# Altium PCB Luchador Pcb.PcbDoc (part 1 of 4) (continued)
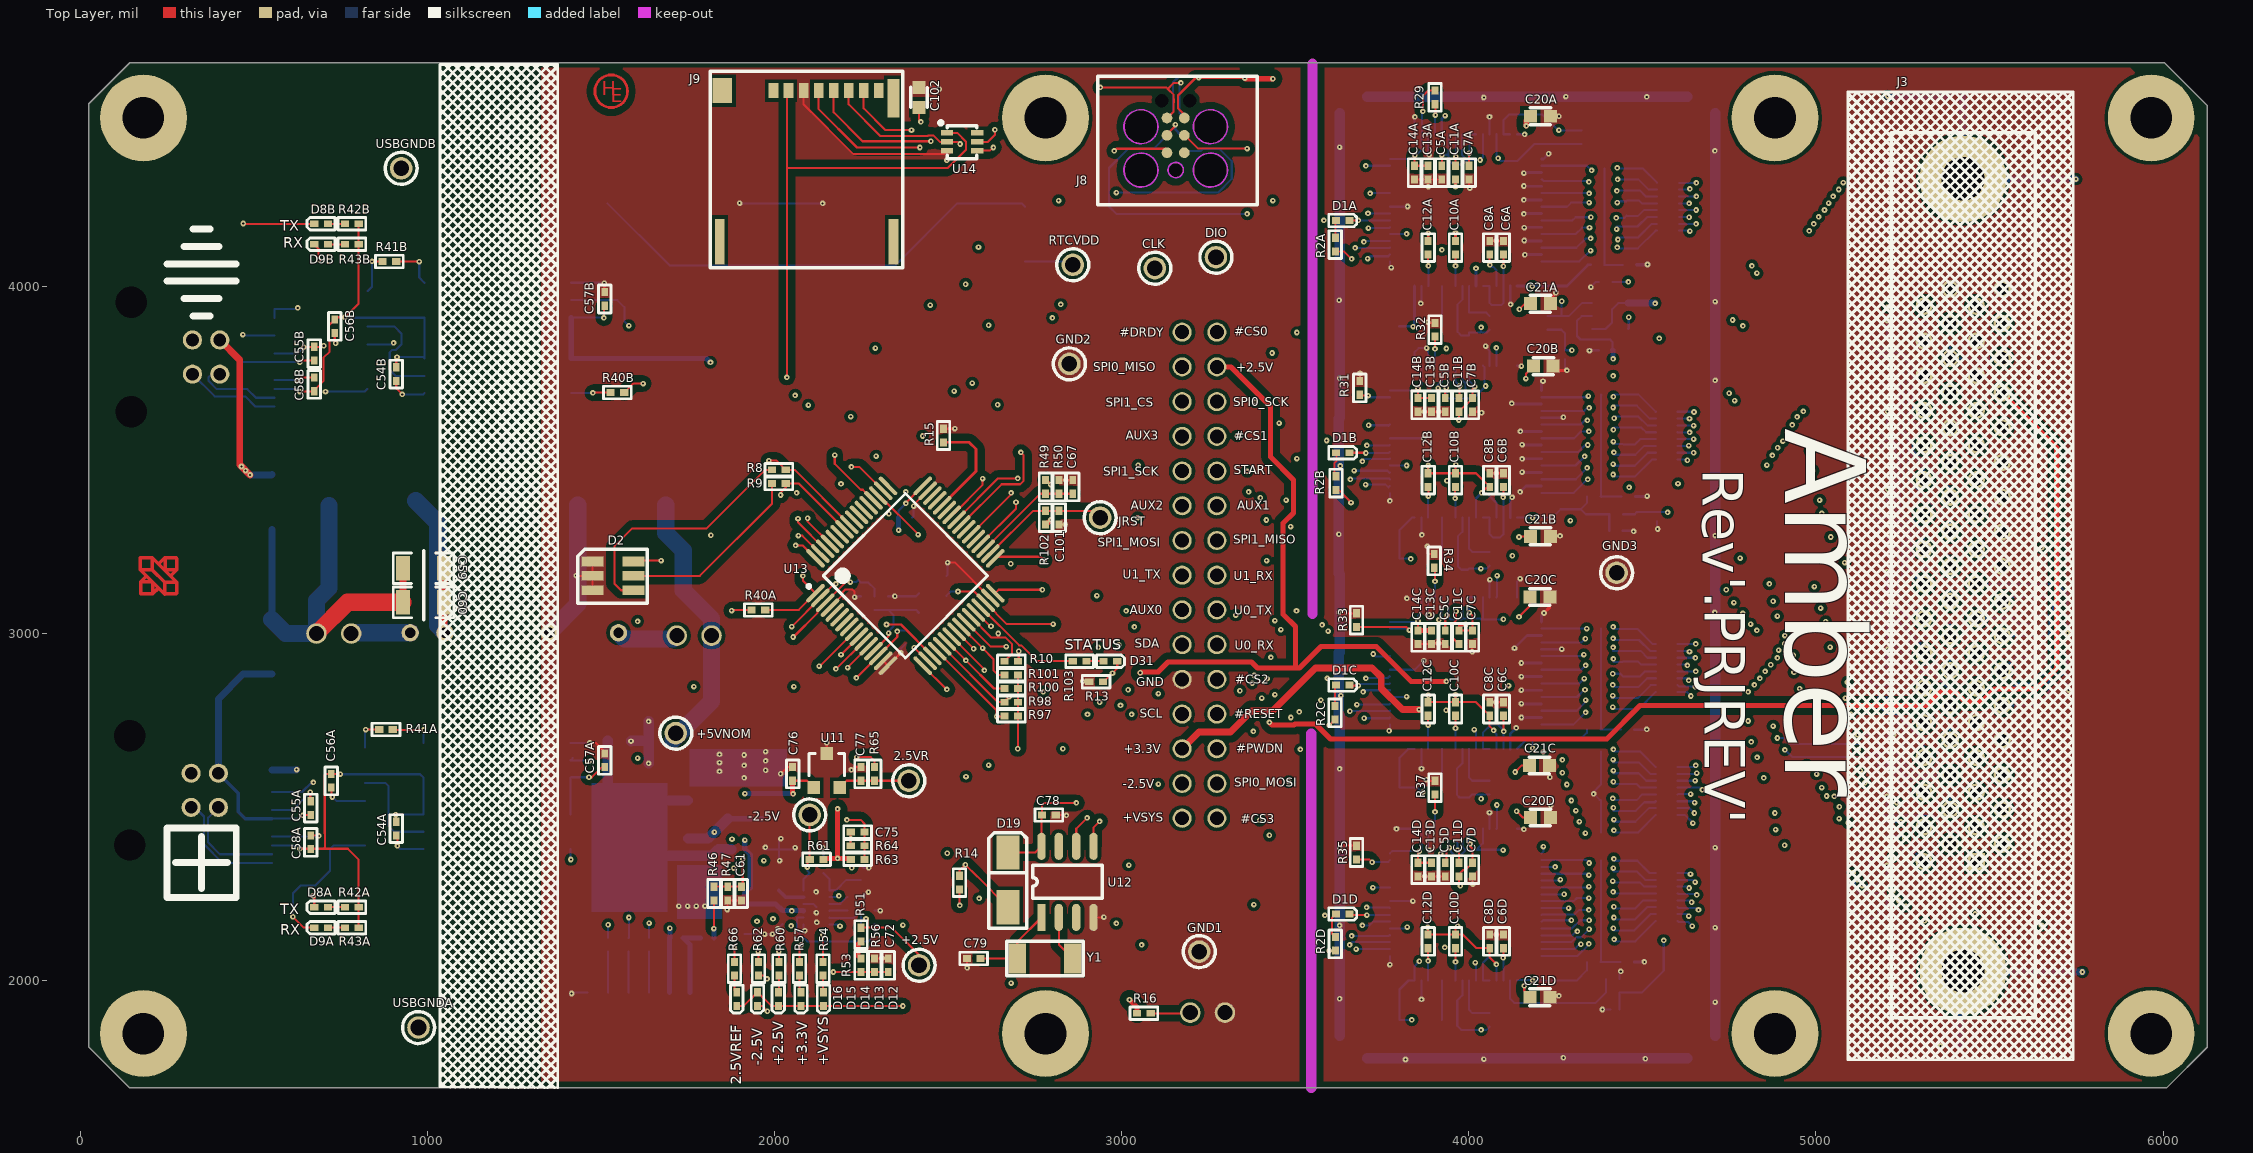
[diagram p0: Top Layer view]
## Design rules (kind name [scope] priority, off if disabled: settings)
Clearance Clearance_2 [InNamedPolygon('-2.5V')] p1: gap=10 ignorepadtopadclearanceinfootprint=FALSE except(0: Arc-Hole Track-Hole SMDPad-Hole THPad-Hole Via-Hole Fill-Hole Poly-Hole Region-Hole Text-Hole; 20: Arc-Arc Arc-Track Arc-SMDPad Arc-THPad Arc-Via Arc-Fill Arc-Poly Arc-Region Arc-Text Track-Track Track-SMDPad Track-THPad Track-Via Track-Fill Track-Poly Track-Region Track-Text)
Clearance Clearance_1 [InNamedPolygon('PWR GND') Or  InNamedPolygon('BOT GND') Or  InNamedPolygon('SL2 GND') Or  InNamedPolygon('SL1 GND') Or  InNamedPolygon('TOP GND')] p2: gap=10 ignorepadtopadclearanceinfootprint=FALSE except(0: Arc-Hole Track-Hole SMDPad-Hole THPad-Hole Via-Hole Fill-Hole Poly-Hole Region-Hole Text-Hole; 20: Arc-Arc Arc-Track Arc-SMDPad Arc-THPad Arc-Via Arc-Fill Arc-Poly Arc-Region Arc-Text Track-Track Track-SMDPad Track-THPad Track-Via Track-Fill Track-Poly Track-Region Track-Text)
Clearance [All] p3: gap=6 ignorepadtopadclearanceinfootprint=FALSE
ComponentClearance [All] p1: gap=1 collisioncheckmode=3 verticalgap=1 showdistances=FALSE
PlaneClearance [All] p1: clearance=20
PlaneConnect [All] p1: planeconnectstyle=Direct reliefexpansion=20 reliefentries=4 reliefconductorwidth=10 reliefairgap=10
PolygonConnect PolygonConnect_2 [All vs IsNamedPolygon('-2.5V')] p1: connectstyle=Direct reliefconductorwidth=10 reliefentries=4 polygonreliefangle="90 Angle" airgapwidth=10
PolygonConnect PolygonConnect_1 [All vs IsNamedPolygon('PWR GND') Or  IsNamedPolygon('BOT GND') Or  IsNamedPolygon('SL2 GND') Or  IsNamedPolygon('SL1 GND') Or  IsNamedPolygon('TOP GND')] p2: connectstyle=Direct reliefconductorwidth=10 reliefentries=4 polygonreliefangle="90 Angle" airgapwidth=10
PolygonConnect [All] p3: connectstyle=Relief reliefconductorwidth=10 reliefentries=4 polygonreliefangle="90 Angle" airgapwidth=10
RoutingVias [All] p1: holewidth=4 width=12 viastyle="Through Hole" minholewidth=4 minwidth=12 maxholewidth=28 maxwidth=50
SolderMaskExpansion [All] p1: expansion=4
Width [All] p1: maxlimit=100 minlimit=6 preferedwidth=10
27 further rules are at their usual default settings.

## Classes and differential pairs
component class CH1-8: C1A C2A C3A C4A C5A C6A C7A C8A C9A C10A C11A C12A C13A C14A C20A C21A D1A R1A R2A R11A R12A U1A U2A U3A
component class CH9-16: C1B C2B C3B C4B C5B C6B C7B C8B C9B C10B C11B C12B C13B C14B C20B C21B D1B R1B R2B R11B R12B U1B U2B U3B
component class CH17-24: C1C C2C C3C C4C C5C C6C C7C C8C C9C C10C C11C C12C C13C C14C C20C C21C D1C R1C R2C R11C R12C U1C U2C U3C
component class CH25-32: C1D C2D C3D C4D C5D C6D C7D C8D C9D C10D C11D C12D C13D C14D C20D C21D D1D R1D R2D R11D R12D U1D U2D U3D
component class DAQ: C15 C47 C48 C49 C50 D6 D20 R28 R29 R30 R31 R32 R33 R34 R35 R36 R37 RFS1 U5
component class "Differential Channel Protection": C51 C52 C53 D7 R38 R39 U6 U7
component class "ISOLATED USB1": C54A C55A C56A C57A C58A D8A D9A OP1A OP2A R40A R41A R42A R43A U8A USBGNDA
component class "ISOLATED USB2": C54B C55B C56B C57B C58B D8B D9B OP1B OP2B R40B R41B R42B R43B U8B USBGNDB
component class "Luchador System": D2 J2 J3 J5 J6 R3 R4 R5 R6 R7 R8 R9 R10
component class MCU: C94 C95 C96 C97 C98 C99 C100 C101 CLK D31 DIO J7 J8 JP3 JRST R15 R16 R97 R98 R99 R100 R101 R102 R103 U13
component class "MICRO SD": C102 J9 U14
component class "Power Supply/Charger": 2.5VR +2.5V +5VNOM -2.5V C16 C17 C18 C19 C59 C60 C61 C62 C63 C67 C68 C69 C70 C71 C72 C73 C74 C75 C76 C77 D10 D11 D12 D13 D14 D15 D16 GND1 GND2 GND3 JP1 JP2 PS1 R13 R14 R44 R45 R46 R47 R48 R49 R50 R51 R52 R53 R54 R55 R56 R57 R58 R59 R60 R61 R62 R63 R64 R65 R66 U4 U10 U11
component class RTC: B1 C78 C79 D18 D19 J1 RTCVDD U12 Y1
channel class "8CH EEG": CH1-8 CH9-16 CH17-24 CH25-32
channel class "Isolated USB": "ISOLATED USB1" "ISOLATED USB2"

## Components (designator, comment, footprint, x,y, rotation, side; value= is the part's Value field where it differs from the comment)
2.5VR "5001" "KEYSTONE TP" 2387.2,2575.83 r90 top
+2.5V "5001" "KEYSTONE TP" 2416.73,2044.33 r90 top
+5VNOM "5001" "KEYSTONE TP" 1716,2713 r90 top
-2.5V "5001" "KEYSTONE TP" 2101.77,2477.4 r90 top
C1A "50V" 1206C-ARRAY 4454.13,4109.29 r90 bottom (schematic designator C1)
C1B "50V" 1206C-ARRAY 4444.29,3451.81 r90 bottom (schematic designator C1)
C1C "50V" 1206C-ARRAY 4444.29,2782.52 r90 bottom (schematic designator C1)
C1D "50V" 1206C-ARRAY 4444.29,2113.23 r90 bottom (schematic designator C1)
C2A "50V" 1206C-ARRAY 4454.13,4245.12 r90 bottom (schematic designator C2)
C2B "50V" 1206C-ARRAY 4444.29,3593.54 r90 bottom (schematic designator C2)
C2C "50V" 1206C-ARRAY 4443.99,2919.51 r90 bottom (schematic designator C2)
C2D "50V" 1206C-ARRAY 4444.29,2251.02 r90 bottom (schematic designator C2)
C3A "50V" 0603C 4001.38,3895.71 r270 bottom (schematic designator C3)
C3B "50V" 0603C 4001.38,3215.59 r270 bottom (schematic designator C3)
C3C "50V" 0603C 4001.38,2556.14 r270 bottom (schematic designator C3)
C3D "50V" 0603C 4001.38,1886.85 r270 bottom (schematic designator C3)
C4A "50V" 0402C 4060.43,3914.41 r270 bottom (schematic designator C4)
C4B "50V" 0402C 4060.43,3235.28 r270 bottom (schematic designator C4)
C4C "50V" 0402C 4060.43,2575.83 r270 bottom (schematic designator C4)
C4D "50V" 0402C 4060.43,1906.54 r270 bottom (schematic designator C4)
C5A "50V" 0402C 3922.64,4347.48 r270 top (schematic designator C5)
C5B "50V" 0402C 3932.48,3678.19 r270 top (schematic designator C5)
C5C "50V" 0402C 3932.48,3008.9 r270 top (schematic designator C5)
C5D "50V" 0402C 3932.48,2339.61 r270 top (schematic designator C5)
C6A "50V" 0402C 4099.8,4091.57 r90 top (schematic designator C6)
C6B "50V" 0402C 4099.8,3422.28 r90 top (schematic designator C6)
C6C "50V" 0402C 4099.8,2762.83 r90 top (schematic designator C6)
C6D "50V" 0402C 4099.8,2093.54 r90 top (schematic designator C6)
C7A "50V" 0402C 4001.38,4347.48 r270 top (schematic designator C7)
C7B "50V" 0402C 4011.22,3678.19 r270 top (schematic designator C7)
C7C "50V" 0402C 4011.22,3008.9 r270 top (schematic designator C7)
C7D "50V" 0402C 4011.22,2339.61 r270 top (schematic designator C7)
C8A "50V" 0402C 4060.43,4091.57 r90 top (schematic designator C8)
C8B "50V" 0402C 4060.43,3422.28 r90 top (schematic designator C8)
C8C "50V" 0402C 4060.43,2762.83 r90 top (schematic designator C8)
C8D "50V" 0402C 4060.43,2093.54 r90 top (schematic designator C8)
C9A "Cap Pol1" 1411T 3922.64,3884.88 r180 bottom (schematic designator C9)
C9B "Cap Pol1" 1411T 3922.64,3215.59 r180 bottom (schematic designator C9)
C9C "Cap Pol1" 1411T 3922.64,2556.14 r180 bottom (schematic designator C9)
C9D "Cap Pol1" 1411T 3922.64,1886.85 r180 bottom (schematic designator C9)
C10A "50V" 0402C 3962.01,4091.57 r90 top (schematic designator C10)
C10B "50V" 0402C 3962.01,3422.28 r90 top (schematic designator C10)
C10C "50V" 0402C 3962.01,2762.83 r90 top (schematic designator C10)
C10D "50V" 0402C 3962.01,2093.54 r90 top (schematic designator C10)
C11A "50V" 0402C 3962.01,4347.48 r270 top (schematic designator C11)
C11B "50V" 0402C 3971.85,3678.19 r270 top (schematic designator C11)
C11C "50V" 0402C 3971.85,2969.53 r90 top (schematic designator C11)
C11D "50V" 0402C 3971.85,2339.61 r270 top (schematic designator C11)
C12A "50V" 0402C 3883.27,4091.57 r90 top (schematic designator C12)
C12B "50V" 0402C 3883.27,3422.28 r90 top (schematic designator C12)
C12C "50V" 0402C 3883.27,2762.83 r90 top (schematic designator C12)
C12D "50V" 0402C 3883.27,2093.54 r90 top (schematic designator C12)
C13A "50V" 0402C 3883.27,4347.48 r270 top (schematic designator C13)
C13B "50V" 0402C 3893.11,3678.19 r270 top (schematic designator C13)
C13C "50V" 0402C 3893.11,3008.9 r270 top (schematic designator C13)
C13D "50V" 0402C 3893.11,2339.61 r270 top (schematic designator C13)
C14A "50V" 0402C 3843.9,4347.48 r270 top (schematic designator C14)
C14B "50V" 0402C 3853.74,3678.19 r270 top (schematic designator C14)
C14C "50V" 0402C 3853.74,3008.9 r270 top (schematic designator C14)
C14D "50V" 0402C 3853.74,2339.61 r270 top (schematic designator C14)
C15 "50V" 0402C 4444.37,3296 r180 bottom
C16 "Cap Pol1" 2917 1687.54,3370 r180 bottom
C17 "Cap Pol1" 2917 710.46,3369 r0 bottom
C18 "50V" 1206C 1579,2703 r0 bottom
C19 "Cap Pol1" 2917 1529,2282 r0 bottom
C20A "50V" 0603C 4206.46,4490 r0 top (schematic designator C20)
C20B "50V" 0603C 4215,3770 r0 top (schematic designator C20)
C20C "50V" 0603C 4205,3105 r0 top (schematic designator C20)
C20D "50V" 0603C 4206.46,2470 r0 top (schematic designator C20)
C21A "50V" 0603C 4206.46,3950 r0 top (schematic designator C21)
C21B "50V" 0603C 4206.46,3280 r0 top (schematic designator C21)
C21C "50V" 0603C 4203.54,2620 r0 top (schematic designator C21)
C21D "50V" 0603C 4205,1952.24 r0 top (schematic designator C21)
C47 "50V" 0402C 4375.39,4012.83 r0 bottom
C48 "50V" 0402C 4227.76,3875.04 r90 bottom
C49 "50V" 0402C 4375.39,3815.98 r0 bottom
C50 "50V" 0402C 4325,4409.63 r90 bottom
C51 "50V" 1206C-ARRAY 4444.29,2565.98 r90 bottom
C52 "50V" 1206C-ARRAY 4444.29,2426.22 r90 bottom
C53 "50V" 0402C 4434.45,2004.96 r180 bottom
C54A "50V" 0402C 910.83,2418.35 r90 top (schematic designator C54)
C54B "50V" 0402C 910.83,3727.4 r90 top (schematic designator C54)
C55A "50V" 0402C 664.76,2477.4 r90 top (schematic designator C55)
C55B "50V" 0402C 674.61,3786.46 r90 top (schematic designator C55)
C56A "50V" 0402C 723.82,2556.14 r90 top (schematic designator C56)
C56B "50V" 0402C 733.66,3865.2 r90 top (schematic designator C56)
C57A "50V" 0402C 1511.22,2615.2 r90 top (schematic designator C57)
C57B "50V" 0402C 1511.22,3943.94 r90 top (schematic designator C57)
C58A "50V" 0402C 664.76,2418.35 r270 top (schematic designator C58)
C58B "50V" 0402C 674.61,3737.24 r270 top (schematic designator C58)
C59 "50V" 1206C 990.38,3188.02 r0 top
C60 "50V" 1206C 990.38,3089.6 r0 top
C61 "50V" 0402C 1904.92,2270.71 r270 top
C62 "50V" 1206C 1963.98,2526.61 r90 bottom
C63 "50V" 1206C 1865.55,2526.61 r90 bottom
C67 "50V" 0402C 2859.65,3402.6 r90 top
C68 "50V" 1206C 2013.19,2319.92 r90 bottom
C69 "50V" 1206C 1914.76,2191.97 r270 bottom
C70 "50V" 0402C 2023.03,2201.81 r270 bottom
C71 "50V" 0402C 2249.41,2201.81 r90 bottom
C72 "50V" 0402C 2328.15,2024.65 r90 top
C73 "50V" 0402C 2210.04,2241.18 r270 bottom
C74 "50V" 0402C 2141.14,2349.45 r180 bottom
C75 "50V" 0402C 2259.25,2428.19 r180 top
C76 "50V" 0402C 2052.56,2575.83 r90 top
C77 "50V" 0402C 2249.41,2575.83 r90 top
C78 "50V" 0402C 2771.06,2477.4 r0 top
C79 "50V" 0402C 2554.53,2064.02 r0 top
C94 "50V" 0603C 2416.73,3087.64 r90 bottom
C95 "50V" 0402C 2328.15,3067.95 r90 bottom
C96 "50V" 0402C 2367.52,3067.95 r90 bottom
C97 "50V" 0603C 2495.47,3136.85 r90 bottom
C98 "50V" 0402C 2249.41,3146.69 r270 bottom
C99 "50V" 0402C 2357.68,3333.7 r0 bottom
C100 "50V" 0402C 2377.36,3008.9 r270 bottom
C101 "50V" 0402C 2820.28,3353.39 r270 top
C102 "50V" 0603C 2416.73,4544.33 r90 top
CLK "5001" "KEYSTONE TP" 3095.87,4052.2 r0 top
D1A "LED0_1" 0402L-ORANGE 3617.52,4190 r0 top (schematic designator D1)
D1B "LED0_1" 0402L-ORANGE 3617.52,3520.71 r0 top (schematic designator D1)
D1C "LED0_1" 0402L-ORANGE 3617.52,2851.42 r0 top (schematic designator D1)
D1D "LED0_1" 0402L-ORANGE 3617.52,2191.97 r0 top (schematic designator D1)
D2 "Component_2" ASMB-TTB0-0A3A2 1594.11,3207.34 r90 top
D6 "TPD1E0B04DPYR" 0402D 4542.72,3349.45 r270 bottom
D7 "TPD1E0B04DPYR" 0402D 4434.45,1916.38 r180 bottom
D8A "TX" 0402L-ORANGE 713.98,2211.65 r180 top (schematic designator D8)
D8B "TX" 0402L-ORANGE 713.98,4180.16 r180 top (schematic designator D8)
D9A "RX" 0402L-ORANGE 713.98,2152.6 r180 top (schematic designator D9)
D9B "RX" 0402L-ORANGE 713.98,4121.1 r180 top (schematic designator D9)
D10 "BAT46ZFILM" SMA 552.56,3457.72 r270 bottom
D11 "BAT46ZFILM" SMA 552.56,2882.91 r90 bottom
D12 "+VSYS" 0402L-ORANGE 2141.5,1966.67 r270 top
D13 "+3.3V" 0402L-ORANGE 2076.5,1966.67 r270 top
D14 "+2.5V" 0402L-ORANGE 2011.5,1966.67 r270 top
D15 "-2.5V" 0402L-ORANGE 1951.5,1966.67 r270 top
D16 "2.5VREF" 0402L-ORANGE 1891.5,1966.67 r270 top
D18 "BAT46ZFILM" SMA 2721.85,4229.37 r270 bottom
D19 "BAT46ZFILM" SMA 2672.64,2211.65 r90 top
D20 "TPD1E0B04DPYR" 0402D 4276.97,3815.98 r270 bottom
D31 "STATUS" 0402L-ORANGE 2948.23,2920.31 r0 top
DIO "5001" "KEYSTONE TP" 3272,4084 r0 top
GND1 "5001" "KEYSTONE TP" 3223.82,2083.7 r90 top
GND2 "5001" "KEYSTONE TP" 2849.8,3776.61 r90 top
GND3 "5001" "KEYSTONE TP" 4426,3175 r90 top
J1 "S8211-46R" "CR2032 ASSEMBLY" 1519.09,4239.21 r0 bottom
J2 "POWER SWITCH" 0874370673 1757.28,1811.59 r90 bottom
J3 "10268-6212PC" 5749070-7 5462.01,2342.76 r270 top
J5 "DATA PORT" MUSBD111M0 402.56,3845.51 r90 bottom locked
J6 "MARK PORT" MUSBD111M0 398.62,2597.48 r90 bottom locked
J7 "DEBUG/AUX HEADER" 67996-130HLF 3274.61,3867.95 r270 bottom
J8 "MULTILINK/TAG CONNECT" TAG_CONNECT 3156,4335 r90 top
J9 "MICRO SD" 503398-1892 1850.2,4564.02 r0 top
JP1 "PSM ENABLE" 61300211121 681,3000 r0 bottom
JP2 "PSM ENABLE" 61300211121 1719,2994 r0 bottom
JP3 "ROM BOOTLOADER" 61300211121 3198,1908 r0 bottom
JRST "5001" "KEYSTONE TP" 2938.39,3333.7 r90 top
OP1A "ACPL-W61L-560E" SO-6S 1412.4,2478.98 r180 bottom (schematic designator OP1)
OP1B "ACPL-W61L-560E" SO-6S 1414.76,3792.36 r180 bottom (schematic designator OP1)
OP2A "ACPL-W61L-560E" SO-6S 989.57,2584.09 r0 bottom (schematic designator OP2)
OP2B "ACPL-W61L-560E" SO-6S 991.93,3910.47 r0 bottom (schematic designator OP2)
PS1 "VHS1-S5-S5-SIP" "ISOLATED MODULE" 951,3002 r0 bottom
R1A "RES 8X" 1506R 4605.71,4298.27 r270 bottom (schematic designator R1)
R1B "RES 8X" 1506R 4601.77,3638.82 r270 bottom (schematic designator R1)
R1C "RES 8X" 1506R 4601.77,2969.53 r270 bottom (schematic designator R1)
R1D "RES 8X" 1506R 4601.77,2310.08 r270 bottom (schematic designator R1)
R2A "Res 0805" 0402R 3616,4100.63 r90 top (schematic designator R2)
R2B "Res 0805" 0402R 3618,3413.63 r90 top (schematic designator R2)
R2C "Res 0805" 0402R 3615,2752 r90 top (schematic designator R2)
R2D "Res 0805" 0402R 3616,2086.63 r90 top (schematic designator R2)
R3 "Res 0805" 0402R 5383.27,4548.27 r0 bottom
R4 "Res 0805" 0402R 5379.33,1812.05 r0 bottom
R5 "Res 0805" 0402R 1639.17,2083.7 r90 bottom
R6 "Res 0805" 0402R 1580.12,2083.7 r90 bottom
R7 "Res 0805" 0402R 1521.06,2083.7 r90 bottom
R8 "Res 0805" 0402R 1993.5,3471.5 r0 top
R9 "Res 0805" 0402R 1993.5,3432.13 r0 top
R10 "Res 0805" 0402R 2702.17,2920.31 r180 top
R11A "Res 0805" 0402R 4350.63,4062 r0 bottom (schematic designator R11)
R11B "Res 0805" 0402R 4340.63,3395 r0 bottom (schematic designator R11)
R11C "Res 0805" 0402R 4340.63,2723 r0 bottom (schematic designator R11)
R11D "Res 0805" 0402R 4340.63,2054 r0 bottom (schematic designator R11)
R12A "Res 0805" 0402R 4483.37,4062 r180 bottom (schematic designator R12)
R12B "Res 0805" 0402R 4480,3395 r180 bottom (schematic designator R12)
R12C "Res 0805" 0402R 4478,2723 r180 bottom (schematic designator R12)
R12D "Res 0805" 0402R 4477,2054 r180 bottom (schematic designator R12)
R13 "Res 0805" 0402R 2946.37,2861 r180 top
R14 "Res 0805" 0402R 2533,2263 r90 top
R15 "Res 0805" 0402R 2487,3550.63 r90 top
R16 "Res 0805" 0402R 3084,1906 r180 top
R28 "Res 0805" 0402R 4267.13,3914.41 r270 bottom
R29 "Res 0805" 0402R 3902.95,4564.02 r270 top
R30 "Res 0805" 0402R 4287,4410 r90 bottom
R31 "Res 0805" 0402R 3686.42,3727.4 r270 top
R32 "Res 0805" 0402R 3902.95,3894.72 r270 top
R33 "Res 0805" 0402R 3676.57,3058.11 r270 top
R34 "Res 0805" 0402R 3901,3229 r270 top
R35 "Res 0805" 0402R 3676.57,2388.82 r270 top
R36 "Res 0805" 0402R 4404.92,3343.54 r0 bottom
R37 "Res 0805" 0402R 3902.95,2575.83 r270 top
R38 "RES 8X" 1506R 4601.77,2615.2 r270 bottom
R39 "Res 0805" 0402R 4395.08,1965.59 r0 bottom
R40A "Res 0805" 0402R 1934.45,3067.95 r0 top (schematic designator R40)
R40B "Res 0805" 0402R 1528,3694 r0 top (schematic designator R40)
R41A "Res 0805" 0402R 861.61,2723.46 r0 top (schematic designator R41)
R41B "Res 0805" 0402R 871.46,4071.89 r0 top (schematic designator R41)
R42A "Res 0805" 0402R 763.19,2211.65 r0 top (schematic designator R42)
R42B "Res 0805" 0402R 763.19,4180.16 r0 top (schematic designator R42)
R43A "Res 0805" 0402R 763.19,2152.6 r0 top (schematic designator R43)
R43B "Res 0805" 0402R 763.19,4121.1 r0 top (schematic designator R43)
R44 "Res 0805" 0402R 1698.23,2123.07 r0 bottom
R45 "Res 0805" 0402R 1786.81,2123.07 r0 bottom
R46 "Res 0805" 0402R 1826.18,2270.71 r270 top
R47 "Res 0805" 0402R 1865.55,2231.34 r90 top
R48 "Res 0805" 0402R 1875.39,2378.98 r0 bottom
R49 "Res 0805" 0402R 2780.91,3402.6 r90 top
R50 "Res 0805" 0402R 2820.28,3441.97 r270 top
R51 "Res 0805" 0402R 2249.41,2152.6 r270 top
R52 "Res 0805" 0402R 2249.41,2113.23 r90 bottom
R53 "Res 0805" 0402R 2249.41,2024.65 r90 top
R54 "Res 0805" 0402R 2139.98,2054.17 r270 top
R55 "Res 0805" 0402R 2288.78,2201.81 r270 bottom
R56 "Res 0805" 0402R 2288.78,2064.02 r270 top
R57 "Res 0805" 0402R 2072.24,2054.17 r270 top
R58 "Res 0805" 0402R 2249.41,2290.39 r90 bottom
R59 "Res 0805" 0402R 2101.77,2310.08 r0 bottom
R60 "Res 0805" 0402R 2013.19,2054.17 r270 top
R61 "Res 0805" 0402R 2101.77,2349.45 r0 top
R62 "Res 0805" 0402R 1954.13,2054.17 r270 top
R63 "Res 0805" 0402R 2259.25,2349.45 r180 top
R64 "Res 0805" 0402R 2219.88,2388.82 r0 top
R65 "Res 0805" 0402R 2288.78,2575.83 r90 top
R66 "Res 0805" 0402R 1885.24,2054.17 r270 top
R97 "Res 0805" 0402R 2662.8,2762.83 r0 top
R98 "Res 0805" 0402R 2662.8,2802.2 r0 top
R99 "Res 0805" 0402R 2288.78,3067.95 r90 bottom
R100 "Res 0805" 0402R 2702.17,2841.57 r180 top
R101 "Res 0805" 0402R 2702.17,2880.94 r180 top
R102 "Res 0805" 0402R 2780.91,3314.02 r90 top
R103 "Res 0805" 0402R 2899.02,2920.31 r180 top
RFS1 "Component_1" SMS-462F 4710.04,1776.3 r90 bottom locked
RTCVDD "5001" "KEYSTONE TP" 2859.65,4062.05 r90 top
U1A "ADS1299IPAGR" TQFP-64 3991.54,4219.53 r180 bottom locked (schematic designator U1)
U1B "ADS1299IPAGR" TQFP-64 3991.54,3552.7 r180 bottom locked (schematic designator U1)
U1C "ADS1299IPAGR" TQFP-64 3991.54,2885.88 r180 bottom locked (schematic designator U1)
U1D "ADS1299IPAGR" TQFP-64 3991.54,2219.06 r180 bottom locked (schematic designator U1)
U2A "TPD4E1B06DCKR" SC70-6 5154.33,3854.17 r270 bottom (schematic designator U2)
U2B "TPD4E1B06DCKR" SC70-6 5154.33,3367.56 r270 bottom (schematic designator U2)
U2C "TPD4E1B06DCKR" SC70-6 5153.15,2904.17 r270 bottom (schematic designator U2)
U2D "TPD4E1B06DCKR" SC70-6 5153.15,2504.17 r270 bottom (schematic designator U2)
U3A "TPD4E1B06DCKR" SC70-6 5154.33,3604.17 r270 bottom (schematic designator U3)
U3B "TPD4E1B06DCKR" SC70-6 5154.33,3117.56 r270 bottom (schematic designator U3)
U3C "TPD4E1B06DCKR" SC70-6 5153.15,2704.17 r270 bottom (schematic designator U3)
U3D "TPD4E1B06DCKR" SC70-6 5153.15,2304.17 r270 bottom (schematic designator U3)
U4 "LD1117S33CTR" SOT-223 1639,2519 r180 bottom
U5 "TSV321RILT" SOT-23-5 4377.76,3853.39 r90 bottom
U6 "TPD4E1B06DCKR" SC70-6 5724.17,3078.39 r180 bottom
U7 "TPD4E1B06DCKR" SC70-6 5724.17,2907.13 r180 bottom
U8A "FT232RL R" FTDI-28 686.42,2504.96 r180 bottom (schematic designator U8)
U8B "FT232RL R" FTDI-28 694.29,3819.92 r180 bottom (schematic designator U8)
U10 "LM27762DSST" WFDFN-12 2158.86,2260.55 r0 bottom
U11 "REF3025AIDBZR" SOT-23 2150.98,2605.35 r0 top
U12 "PCF8563T/5,518" SO-8 2769.49,2182.13 r90 top
U13 "MKL26Z256VLH4" LQFP-64 2377.36,3166.38 r45 top
U14 "TPD4E1B06DCKR" SC70-6 2497.44,4441.97 r0 top
USBGNDA "5001" "KEYSTONE TP" 975,1865 r90 top (schematic designator USBGND)
USBGNDB "5001" "KEYSTONE TP" 925,4340 r0 top (schematic designator USBGND)
Y1 "32.768kHz" ABS10 2859.65,2064.02 r180 top

## Footprints (in the part's own frame and the unit in brackets; to place one, negate y for a bottom-side part, rotate by r counter-clockwise, add the part's x,y. Pads: shape width x height; smd on the part's side, far side on the other; paste and mask are expansions set on the pad)
0402C [mm]
  rect 0.6x0.5 smd: 1(0,0) 2(1,0)
  silkscreen extent -0.52,-0.46 1.52,0.46, body extent 0.01,-0.25 1.01,0.25, height 0.5
0402D [mm]
  rect 0.4x0.6 smd: 1(0,0) 2(0.65,0)
  silkscreen extent -0.38,-0.46 1.04,0.48, body extent -0.17,-0.3 0.83,0.3, height 0.46
0402L-ORANGE [mm]
  rect 0.6x0.5 smd: 1(0,0) 2(1,0)
  silkscreen extent -0.52,-0.46 1.52,0.46, body extent 0.01,-0.3 1.01,0.3, height 0.2
0402R [mm]
  rect 0.6x0.5 smd: 1(0,0) 2(1,0)
  silkscreen extent -0.52,-0.46 1.52,0.46, body extent -0.07,-0.28 1.08,0.27, height 0.42
0603C [mm]
  rect 0.95x0.95 smd: 1(-0.725,0) 2(0.725,0)
  silkscreen extent -0.72,-0.61 0.75,0.61, body extent -0.81,-0.38 0.79,0.42, height 0.32
1206C [mm]
  rect 1x1.8 smd: 1(-1.525,0) 2(1.475,0)
  silkscreen extent -2.24,-1.27 2.18,1.27, body extent -1.63,-0.84 1.57,0.76, height 1.62
1206C-ARRAY [mm]
  rect 0.4x1 smd: A1(0,0) A2(0.8,0) A3(1.6,0) A4(2.4,0) B1(0,-1.6) B2(0.8,-1.6) B3(1.6,-1.6) B4(2.4,-1.6)
  silkscreen extent -0.38,-2.29 2.79,0.76, body extent -0.33,-1.55 2.72,-0.03, height 1.03
1411T [mm]
  rect 1.2x2.5 smd: 1(0,0) 2(3.1,0)
  silkscreen extent -0.89,-1.52 3.94,1.52, body extent -0.3,-1.46 3.4,1.47, height 2.03
1506R [mm]
  rect 0.3x0.6 smd: A1(3.5,1.6) A2(3,1.6) A3(2.5,1.6) A4(2,1.6) A5(1.5,1.6) A6(1,1.6) A7(0.5,1.6) A8(0,1.6) B1(3.5,0) B2(3,0) B3(2.5,0) B4(2,0) B5(1.5,0) B6(1,0) B7(0.5,0) B8(0,0)
  silkscreen extent -0.38,-0.48 3.89,2.08, body extent -0.15,-0.01 3.65,1.59, height 0.46
2917 [mm]
  rect 2.77x2.55 smd: 1(0,0) 2(6.44,0)
  silkscreen extent -1.52,-2.29 8,2.29, body extent -0.52,-2.22 6.88,2.23, height 4.21
67996-130HLF [mil]
  round 55 hole 40: 1(0,0) 2(0,100) 3(100,0) 4(100,100) 5(200,0) 6(200,100) 7(300,0) 8(300,100) 9(400,0) 10(400,100) 11(500,0) 12(500,100) 13(600,0) 14(600,100) 15(700,0) 16(700,100) 17(800,0) 18(800,100) 19(900,0) 20(900,100) 21(1000,0) 22(1000,100) 23(1100,0) 24(1100,100) 25(1200,0) 26(1200,100) 27(1300,0) 28(1300,100) 29(1400,0) 30(1400,100)
  silkscreen extent -50,-50 1450,150, body extent -50,-50 1450,150, height 350
503398-1892 [mm]
  rect 0.7x1.1 smd: 1(11.44,0) 2(10.34,0) 3(9.24,0) 4(8.14,0) 5(7.04,0) 6(5.94,0) 7(4.84,0) 8(3.74,0)
  rect 0.7x3.33 smd: M(-0.193,-11.049) M(12.52,-11.049)
  rect 1.42x1.83 smd: M(0,0)
  rect 0.86x2.8 smd: M(12.52,-0.559)
  silkscreen extent -0.89,-12.95 13.21,1.4, body extent -0.39,-12.64 12.71,1.41, height 1.29
5749070-7 [mil]
  rect 50x50 hole 35: 1(0,0)
  round 50 hole 35: 2(-50,75) 3(-100,0) 4(-150,75) 5(-200,0) 6(-250,75) 7(-300,0) 8(-350,75) 9(-400,0) 10(-450,75) 11(-500,0) 12(-550,75) 13(-600,0) 14(-650,75) 15(-700,0) 16(-750,75) 17(-800,0) 18(-850,75) 19(-900,0) 20(-950,75) 21(-1000,0) 22(-1050,75) 23(-1100,0) 24(-1150,75) 25(-1200,0) 26(-1250,75) 27(-1300,0) 28(-1350,75) 29(-1400,0) 30(-1450,75) 31(-1500,0) 32(-1550,75) 33(-1600,0) 34(-1650,75) 35(0,-150) 36(-50,-75) 37(-100,-150) 38(-150,-75) 39(-200,-150) 40(-250,-75) 41(-300,-150) 42(-350,-75) 43(-400,-150) 44(-450,-75) 45(-500,-150) 46(-550,-75) 47(-600,-150) 48(-650,-75) 49(-700,-150) 50(-750,-75) 51(-800,-150) 52(-850,-75) 53(-900,-150) 54(-950,-75) 55(-1000,-150) 56(-1050,-75) 57(-1100,-150) 58(-1150,-75) 59(-1200,-150) 60(-1250,-75) 61(-1300,-150) 62(-1350,-75) 63(-1400,-150) 64(-1450,-75) 65(-1500,-150) 66(-1550,-75) 67(-1600,-150) 68(-1650,-75)
  round 250 hole 125: SH(-1967,-38) SH(315,-38)
  silkscreen extent -2100,-245 450,170, body extent -2083,-240 432,166, height 348
0874370673 [mm]
  rect 2.65x0.85 smd: 1(3.912,0) 2(3.912,-1.5) 3(3.912,-3) 4(3.912,-4.5) 5(3.912,-6) 6(3.912,-7.5)
  rect 3.55x0.85 smd: M(0,-7.5) M(0,-6) M(0,-4.5) M(0,-3) M(0,-1.5) M(0,0)
  silkscreen extent -2.03,-8.89 5.97,1.52, body extent -0.46,-8.88 5.97,1.42, height 6.11
61300211121 [mm]
  round 1.5 hole 1.1: 1(0,0) 2(2.54,0)
  silkscreen extent -1.27,-1.27 3.81,1.4, body extent -1.27,-1.24 3.81,1.3, height 8.55
ABS10 [mil]
  rect 50x87 smd: 1(0,0) 2(160,0)
  silkscreen extent -30,-50 190,50, body extent -17,-35 173,35, height 36
ASMB-TTB0-0A3A2 [mm]
  rect 0.7x1.6 smd: 1(0,3) 2(-1.05,3) 3(-2.1,3) 4(-2.1,0) 5(-1.05,0) 6(0,0)
  silkscreen extent -3.05,-1.02 0.89,4.06, body extent -2.91,-0.48 0.78,3.38, height 2.89
"CR2032 ASSEMBLY" [mm]
  rect 5.5x5.5 smd: 1(0,0) 1(25.6,0)
  rect 4x4 smd: 2(12.8,0)
  silkscreen extent -2.97,-9.11 28.57,11.88, body extent -2.49,-9.09 28.14,11.88, height 4.27
FTDI-28 [mm] "SOP, 28-Leads, Body 10.2x5.3mm, Pitch 0.65mm, IPC Low Density"
  oval 2.4x0.45 smd: 1(-3.4,4.225) 2(-3.4,3.575) 3(-3.4,2.925) 4(-3.4,2.275) 5(-3.4,1.625) 6(-3.4,0.975) 7(-3.4,0.325) 8(-3.4,-0.325) 9(-3.4,-0.975) 10(-3.4,-1.625) 11(-3.4,-2.275) 12(-3.4,-2.925) 13(-3.4,-3.575) 14(-3.4,-4.225) 15(3.4,-4.225) 16(3.4,-3.575) 17(3.4,-2.925) 18(3.4,-2.275) 19(3.4,-1.625) 20(3.4,-0.975) 21(3.4,-0.325) 22(3.4,0.325) 23(3.4,0.975) 24(3.4,1.625) 25(3.4,2.275) 26(3.4,2.925) 27(3.4,3.575) 28(3.4,4.225)
  silkscreen extent -3.52,-5.25 1.8,5.25, body extent -3.8,-5.11 4.01,5.09, height 1.98
"ISOLATED MODULE" [mil]
  round 50 hole 30: 1(0,0) 2(100,0) 5(400,0) 7(600,0)
  silkscreen extent -80,-260 690,125, body extent -79,-260 689,126, height 492
"KEYSTONE TP" [mil]
  round 65 hole 45: 1(0,0)
  silkscreen extent -46,-46 46,46
LQFP-64 [mm] "Thin QFP, 64-Leads, Body 10x10mm, Pitch 0.5mm, IPC Medium Density"
  oval 1.8x0.3 smd: 1(-5.55,3.75) 2(-5.55,3.25) 3(-5.55,2.75) 4(-5.55,2.25) 5(-5.55,1.75) 6(-5.55,1.25) 7(-5.55,0.75) 8(-5.55,0.25) 9(-5.55,-0.25) 10(-5.55,-0.75) 11(-5.55,-1.25) 12(-5.55,-1.75) 13(-5.55,-2.25) 14(-5.55,-2.75) 15(-5.55,-3.25) 16(-5.55,-3.75) 33(5.55,-3.75) 34(5.55,-3.25) 35(5.55,-2.75) 36(5.55,-2.25) 37(5.55,-1.75) 38(5.55,-1.25) 39(5.55,-0.75) 40(5.55,-0.25) 41(5.55,0.25) 42(5.55,0.75) 43(5.55,1.25) 44(5.55,1.75) 45(5.55,2.25) 46(5.55,2.75) 47(5.55,3.25) 48(5.55,3.75)
  oval 0.3x1.8 smd: 17(-3.75,-5.55) 18(-3.25,-5.55) 19(-2.75,-5.55) 20(-2.25,-5.55) 21(-1.75,-5.55) 22(-1.25,-5.55) 23(-0.75,-5.55) 24(-0.25,-5.55) 25(0.25,-5.55) 26(0.75,-5.55) 27(1.25,-5.55) 28(1.75,-5.55) 29(2.25,-5.55) 30(2.75,-5.55) 31(3.25,-5.55) 32(3.75,-5.55) 49(3.75,5.55) 50(3.25,5.55) 51(2.75,5.55) 52(2.25,5.55) 53(1.75,5.55) 54(1.25,5.55) 55(0.75,5.55) 56(0.25,5.55) 57(-0.25,5.55) 58(-0.75,5.55) 59(-1.25,5.55) 60(-1.75,5.55) 61(-2.25,5.55) 62(-2.75,5.55) 63(-3.25,5.55) 64(-3.75,5.55)
  silkscreen extent -5.67,-4.25 4.25,4.57, body extent -5.99,-6 6.01,6, height 1.4
MUSBD111M0 [mm]
  round 1.4 hole 0.92: 1(0,0) 2(-2.5,0) 3(-2.5,-2) 4(0,-2)
  round 0 hole 2.3 unplated: M(-5.25,-6.49) M(2.75,-6.49)
  silkscreen extent -15.37,-9.78 12.7,2.03, body extent -15.32,-15.97 12.68,2.03, height 15.51
SC70-6 [mm]
  rect 0.9x0.4 smd: 1(0,0) 2(0,-0.65) 3(0,-1.3) 4(2.2,-1.3) 5(2.2,-0.65) 6(2.2,0)
  silkscreen extent -0.6,-1.91 2.16,0.88, body extent 0.04,-1.63 2.14,0.37, height 0.97
SMA [mm]
  rect 2.5x1.7 smd: 1(0,0) 2(4,0)
  silkscreen extent -1.52,-1.4 5.46,1.4, body extent -0.71,-1.4 4.78,1.4, height 2.3
SMS-462F [mil]
  rect 30x190 smd: M(0,-1002) M(0,-80) M(2770,-1002) M(2770,-80)
  rect 30x159 smd: M(0,-780) M(0,-552) M(0,-323) M(2770,-781) M(2770,-552) M(2770,-323)
  rect 125x30 smd: M(65,-1082) M(65,0) M(2722,-1082) M(2722,0)
  rect 160x30 smd: M(270,-1082) M(270,0) M(495,-1082) M(495,0) M(720,-1082) M(720,0) M(945,-1082) M(945,0) M(1170,-1082) M(1170,0) M(1395,-1082) M(1395,0) M(1620,-1082) M(1620,0) M(1845,-1082) M(1845,0) M(2070,-1082) M(2070,0) M(2295,-1082) M(2295,0) M(2520,-1082) M(2520,0)
  body extent -7,-1087 2775,7, height 251
SO-6S [mm] "WIDE SO-6 FOR OPTOS"
  rect 1.91x0.76 smd: 1(0,0) 2(0,-1.27) 3(0,-2.54) 4(10.74,-2.54) 5(10.74,-1.27) 6(10.74,0)
  silkscreen extent -1.4,-4.32 11.18,1.9, body extent -0.37,-3.64 11.13,1.1, height 3.4
SO-8 [mil]
  rect 78x24 smd: 1(0,0)
  oval 78x24 smd: 2(0,-50) 3(0,-100) 4(0,-150) 5(205,-150) 6(205,-100) 7(205,-50) 8(205,0)
  silkscreen extent 55,-175 150,25, body extent -13,-173 223,24, height 69
SOT-23 [mm] "SOT-23; 3 Leads; Body 3.0 x 2.6 mm, inc. leads (LxW max)"
  rect 0.9x0.95 smd: 1(-0.95,-1.25) 2(0.95,-1.25) 3(0,1.25)
  silkscreen extent -1.3,-0.38 1.3,1.25, body extent -1.43,-1.16 1.47,1.21, height 0.97
SOT-23-5 [mm] "5-Lead Plastic SOT-23"
  rect 0.5x1.25 smd: 1(0.6,-0.56) 2(1.55,-0.56) 3(2.5,-0.56) 4(2.5,2.06) 5(0.6,2.06)
  silkscreen extent -0.2,-0.6 3.1,1.5, body extent 0.05,-0.76 3.05,2.24, height 1.32
SOT-223 [mm] "SOT223, 4-Leads, Body 6.5x3.5mm, Pitch 2.3mm, Lead Span 7mm, IPC High Density"
  rect 2.1x0.9 smd: 1(-2.85,2.3) 2(-2.85,0) 3(-2.85,-2.3)
  rect 2.1x3.2 smd: 4(2.85,0)
  silkscreen extent -2.98,-3.35 1.5,3.42, body extent -3.61,-3.28 3.35,3.22, height 1.7
TAG_CONNECT [mil]
  round 31 smd paste-20: 1(50,-25) 2(50,25) 3(100,-25) 4(100,25) 5(150,-25) 6(150,25)
  round 31 smd far side paste-20: 1(50,25) 2(50,-25) 3(100,25) 4(100,-25) 5(150,25) 6(150,-25)
  rect 0x0 hole 93.5 unplated: M(0,100) M(0,-100) M(125,-100) M(125,100)
  rect 0x0 hole 39 unplated: M(0,0) M(200,-40) M(200,40)
  Keep-Out Layer circle w5: c0,0 r22.02
  Keep-Out Layer circle w5: c0,-100 r49
  Keep-Out Layer circle w5: c125,-100 r49
  Keep-Out Layer circle w5: c125,100 r49
  Keep-Out Layer circle w5: c0,100 r49.01
  silkscreen extent -100,-235 270,225
TQFP-64 [mm] "Thin QFP, 64-Leads, Body 10x10mm, Pitch 0.5mm, IPC Medium Density"
  oval 1.8x0.3 smd: 1(-5.55,3.75) 2(-5.55,3.25) 3(-5.55,2.75) 4(-5.55,2.25) 5(-5.55,1.75) 6(-5.55,1.25) 7(-5.55,0.75) 8(-5.55,0.25) 9(-5.55,-0.25) 10(-5.55,-0.75) 11(-5.55,-1.25) 12(-5.55,-1.75) 13(-5.55,-2.25) 14(-5.55,-2.75) 15(-5.55,-3.25) 16(-5.55,-3.75) 33(5.55,-3.75) 34(5.55,-3.25) 35(5.55,-2.75) 36(5.55,-2.25) 37(5.55,-1.75) 38(5.55,-1.25) 39(5.55,-0.75) 40(5.55,-0.25) 41(5.55,0.25) 42(5.55,0.75) 43(5.55,1.25) 44(5.55,1.75) 45(5.55,2.25) 46(5.55,2.75) 47(5.55,3.25) 48(5.55,3.75)
  oval 0.3x1.8 smd: 17(-3.75,-5.55) 18(-3.25,-5.55) 19(-2.75,-5.55) 20(-2.25,-5.55) 21(-1.75,-5.55) 22(-1.25,-5.55) 23(-0.75,-5.55) 24(-0.25,-5.55) 25(0.25,-5.55) 26(0.75,-5.55) 27(1.25,-5.55) 28(1.75,-5.55) 29(2.25,-5.55) 30(2.75,-5.55) 31(3.25,-5.55) 32(3.75,-5.55) 49(3.75,5.55) 50(3.25,5.55) 51(2.75,5.55) 52(2.25,5.55) 53(1.75,5.55) 54(1.25,5.55) 55(0.75,5.55) 56(0.25,5.55) 57(-0.25,5.55) 58(-0.75,5.55) 59(-1.25,5.55) 60(-1.75,5.55) 61(-2.25,5.55) 62(-2.75,5.55) 63(-3.25,5.55) 64(-3.75,5.55)
  silkscreen extent -5.68,-4.25 4.25,4.57, body extent -5.99,-6.01 6.01,5.99, height 1.06
WFDFN-12 [mm]
  rrect50% 0.5x0.25 smd: 1(-1.9,2.5) 2(-1.9,2) 3(-1.9,1.5) 4(-1.9,1) 5(-1.9,0.5) 6(-1.9,0) 7(0,0) 8(0,0.5) 9(0,1) 10(0,1.5) 11(0,2) 12(0,2.5)
  rect 1x2.65 smd: TP(-0.95,1.242)
  silkscreen extent -2.03,2.92 -1.78,3.17, body extent -2.01,-0.3 0.09,2.8, height 0.82

## Part data
2.5VR +2.5V +5VNOM -2.5V CLK DIO GND1 GND2 GND3 JRST RTCVDD USBGNDA USBGNDB: Color=Black, Manufacturer="Keystone Electronics", Supplier Part Number 1=5001K-ND, Category="Test and Measurement", ComponentLink1Description=http://www.keyelco.com/product-pdf.cfm?p=1310, ComponentLink1URL=http://www.keyelco.com/product-pdf.cfm?p=1310, Description1="TEST POINT PC MINI .040\"D BLACK", Manufacturer Part Number=5001, Material="Base, Nylon 46, UL 94V-0", Mounting Type="0.040\" (1.02mm) Hole Diameter", Packaging=Bulk, Pricing 1="1=0.34, 10=0.315, 50=0.2296, 100=0.2206, 250=0.19812, 500=0.1891, 1000=0.15759, 2500=0.14408, 5000=0.13508 (USD)", RoHS="RoHS Compliant", Stock 1=159085, Supplier 1=Digi-Key, Terminal="0.010\" x 0.020\" (0.25mm x 0.51mm) Phosphor Bronze Wire, Silver Plated", Type="PC Test Point, Miniature"
C1A C1B C1C C1D C2A C2B C2C C2D C51 C52: library part Cap, "CAP .1UF 50V CERAMIC Y5V 0805", Capacitance=4700pF, Dielectric Material=Ceramic, Manufacturer=TDK, Manufacturer Part Number=CKCA43X7R1H472M100AA, Number of Capacitors=4, Package / Case="1206 (3216 Metric)", PCN Part Number="MLCC Part Number Change 30/Nov/2012", Ratings=-, Standard Package=1, Supplier Part Number 1=445-1853-1-ND, Temperature Coefficient=X7R, Tolerance=±20%, Catalog Drawings="CKC 1206 Series CKC 1206 Series Footprint", Category=Capacitors, Circuit Type=Isolated, ComponentLink1Description=https://datasheet.ciiva.com/7615/mlccspec-commercial-array-en-7615142.pdf, ComponentLink1URL=https://datasheet.ciiva.com/7615/mlccspec-commercial-array-en-7615142.pdf, ComponentLink2Description=https://datasheet.ciiva.com/7615/mlccspec-commercial-array-en-7615147.pdf, ComponentLink2URL=https://datasheet.ciiva.com/7615/mlccspec-commercial-array-en-7615147.pdf, ComponentLink3Description=https://datasheet.ciiva.com/7615/mlccspec-commercial-array-en-7615148.pdf, ComponentLink3URL=https://datasheet.ciiva.com/7615/mlccspec-commercial-array-en-7615148.pdf, ComponentLink4Description=https://datasheet.ciiva.com/24216/ckca43x7r1h472m100aa-266209-24216735.pdf, ComponentLink4URL=https://datasheet.ciiva.com/24216/ckca43x7r1h472m100aa-266209-24216735.pdf, Description1="Cap Ceramic Array 0.0047uF 50V X7R 20% 1206 SMD 4 Capacitor 125C Plastic T/R", Family="Capacitor Arrays", Featured Product="CKC Series", Height - Seated (Max)="0.051\" (1.30mm)", Mounting Type="Surface Mount", Online Catalog="CKC Series", Other Names=445-1853-1, Packaging="Cut Tape (CT)", Pricing 1="1=0.33, 10=0.228, 100=0.129, 500=0.0911, 1000=0.0797 (USD)", Product Training Modules="CKC Series Array Capacitor Family", Revision="July-2002: Re-released for DXP Platform.", RoHS Information="RoHS Certificate-MLCC", Series=CKC, Size / Dimension="0.126\" L x 0.063\" W (3.20mm x 1.60mm)", Stock 1=155348, Supplier 1=Digi-Key, Voltage - Rated=50V
C3A C3B C3C C3D C20A C20B C20C C20D C21A C21B C21C C21D C94 C97 C102: library part Cap, "CAP .1UF 50V CERAMIC Y5V 0805", Capacitance="10 µF", Case Size/Dimension=0603, Dielectric=X7R, Manufacturer=Samsung, Manufacturer Part Number=CL10B106MQ8NRNC, Rated Voltage="6.3 V", Supplier Part Number 1=1276-1948-1-ND, Tolerance (%)="±20 %", ComponentLink1Description=https://datasheet.ciiva.com/25723/cl10b106mq8nrnc-25723233.pdf, ComponentLink1URL=https://datasheet.ciiva.com/25723/cl10b106mq8nrnc-25723233.pdf, ComponentLink2Description=https://datasheet.ciiva.com/16428/cl10b106mq8nrnc-16428858.pdf, ComponentLink2URL=https://datasheet.ciiva.com/16428/cl10b106mq8nrnc-16428858.pdf, Description1="10µF ±20% 6.3V X7R Ceramic Capacitor -55°C ~ 125°C Surface Mount, MLCC 0603 (1608 Metric) 0.063\" L x 0.031\" W (1.60mm x 0.80mm)", Pricing 1="1=1.07, 10=0.813, 100=0.5813, 500=0.45, 1000=0.3875 (USD)", Revision="July-2002: Re-released for DXP Platform.", Stock 1=40000, Supplier 1=Digi-Key
C4A C4B C4C C4D C6A C6B C6C C6D C8A C8B C8C C8D C11A C11B C11C C11D C14A C14B C14C C14D C96 C99 C100 C101: library part Cap, "CAP .1UF 50V CERAMIC Y5V 0805", Capacitance=0.1uF, Case Size/Dimension=0402, Dielectric=X5R, Manufacturer="Kyocera AVX", Manufacturer Part Number=0402YD104KAT2A, Rated Voltage="16 V", Supplier Part Number 1=478-1126-1-ND, Tolerance (%)="±10 %", ComponentLink1Description=https://datasheet.ciiva.com/2987/cx5r-2987712.pdf, ComponentLink1URL=https://datasheet.ciiva.com/2987/cx5r-2987712.pdf, ComponentLink2Description=https://datasheet.ciiva.com/150/cx5r-150353.pdf, ComponentLink2URL=https://datasheet.ciiva.com/150/cx5r-150353.pdf, ComponentLink3Description=https://datasheet.ciiva.com/150/cx5r-150354.pdf, ComponentLink3URL=https://datasheet.ciiva.com/150/cx5r-150354.pdf, ComponentLink4Description=https://datasheet.ciiva.com/11786/0900766b80def1a5-11786866.pdf, ComponentLink4URL=https://datasheet.ciiva.com/11786/0900766b80def1a5-11786866.pdf, ComponentLink5Description=https://datasheet.ciiva.com/150/cx5r-150355.pdf, ComponentLink5URL=https://datasheet.ciiva.com/150/cx5r-150355.pdf, ComponentLink6Description=https://datasheet.ciiva.com/1124/1666675-1124009.pdf, ComponentLink6URL=https://datasheet.ciiva.com/1124/1666675-1124009.pdf, ComponentLink7Description=https://datasheet.ciiva.com/5423/cx5r-33896-5423625.pdf, ComponentLink7URL=https://datasheet.ciiva.com/5423/cx5r-33896-5423625.pdf, ComponentLink8Description=https://datasheet.ciiva.com/1124/1666675-1124010.pdf, ComponentLink8URL=https://datasheet.ciiva.com/1124/1666675-1124010.pdf, ComponentLink9Description=https://datasheet.ciiva.com/14590/70001028-14590205.pdf, ComponentLink9URL=https://datasheet.ciiva.com/14590/70001028-14590205.pdf, ComponentLink10Description=https://datasheet.ciiva.com/14592/70001028-14592157.pdf, ComponentLink10URL=https://datasheet.ciiva.com/14592/70001028-14592157.pdf, ComponentLink11Description=https://datasheet.ciiva.com/16623/cx5r-16623293.pdf, ComponentLink11URL=https://datasheet.ciiva.com/16623/cx5r-16623293.pdf, ComponentLink12Description=https://datasheet.ciiva.com/34303/1928960-34303277.pdf, ComponentLink12URL=https://datasheet.ciiva.com/34303/1928960-34303277.pdf, ComponentLink13Description=https://datasheet.ciiva.com/2987/cx5r-2987711.pdf, ComponentLink13URL=https://datasheet.ciiva.com/2987/cx5r-2987711.pdf, Description1="AVX   0402YD104KAT2A   Multilayer Ceramic Capacitor, 0.1 F,  10%, X5R, 16 V, 0402 [1005 Metric]", Pricing 1="1=0.1, 10=0.047, 100=0.0211, 500=0.0151, 1000=0.0119, 2500=0.0108, 5000=0.0099 (USD)", Revision="July-2002: Re-released for DXP Platform.", Stock 1=0, Supplier 1=Digi-Key